# Altium PCB PCB1.PcbDoc (part 1 of 2)
Units mil, origin at the board's own origin, x right, y up, seen from the top; angles counter-clockwise.
Board outline 3149.61 x 1673.23 mil, 4 copper layers (TOP-SIG, GND1, GND2, BOT-SIG), stack 62.449 mil thick; 123 components, 58 nets, 291 pads, 564 vias.
Unrouted connection lines stored in the file: 2.
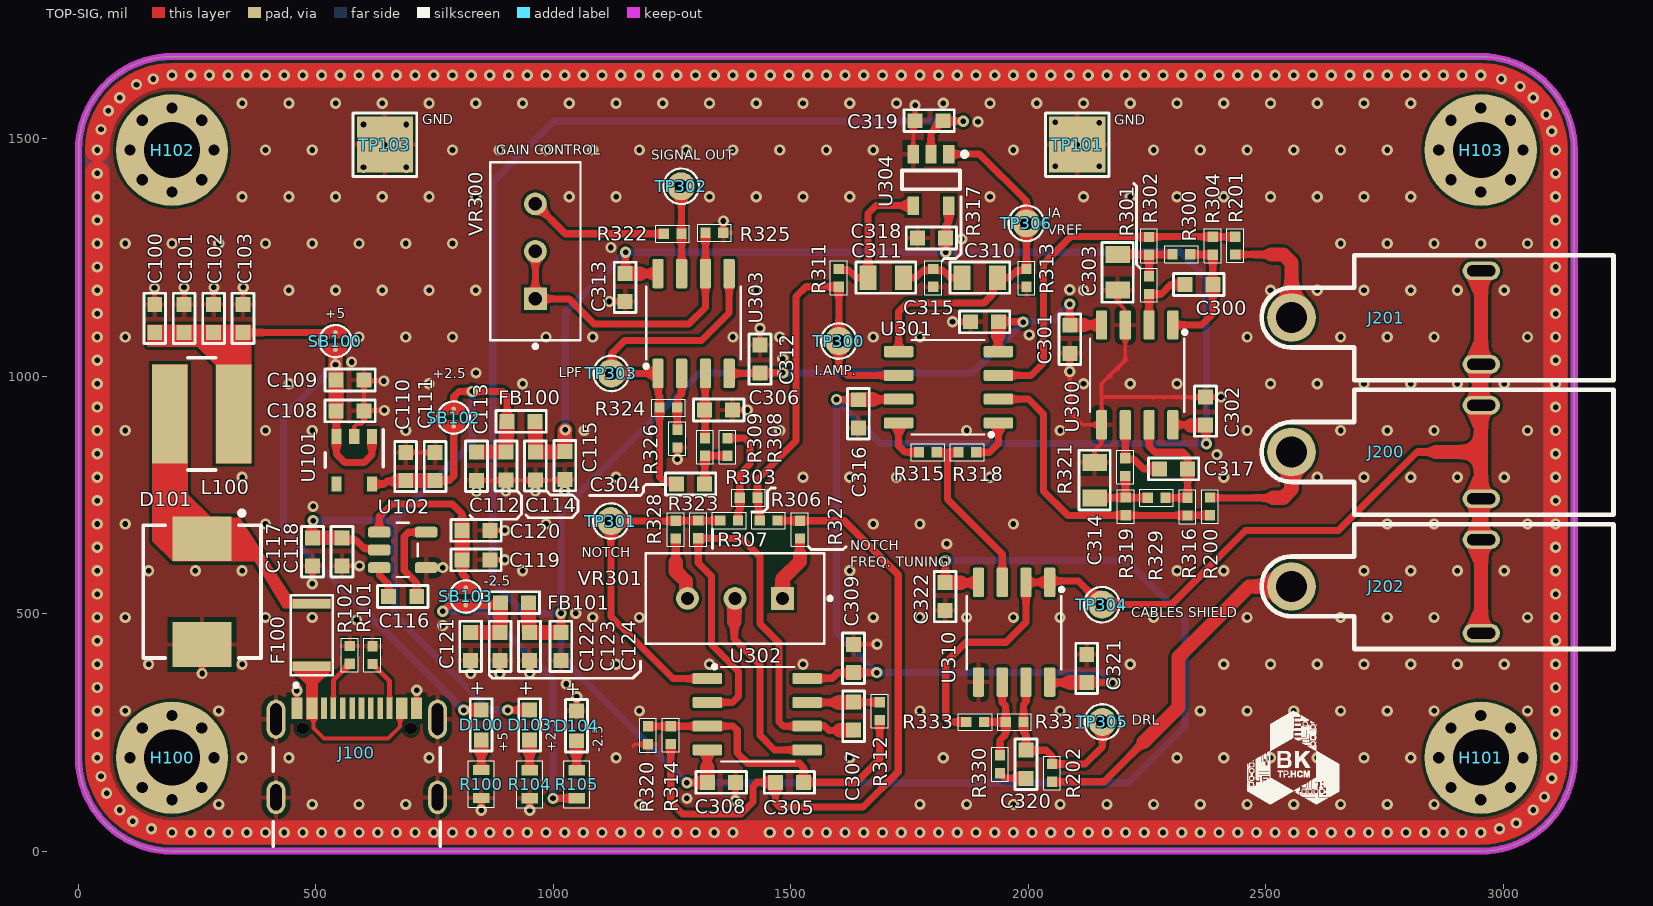
[diagram p0: TOP-SIG view]
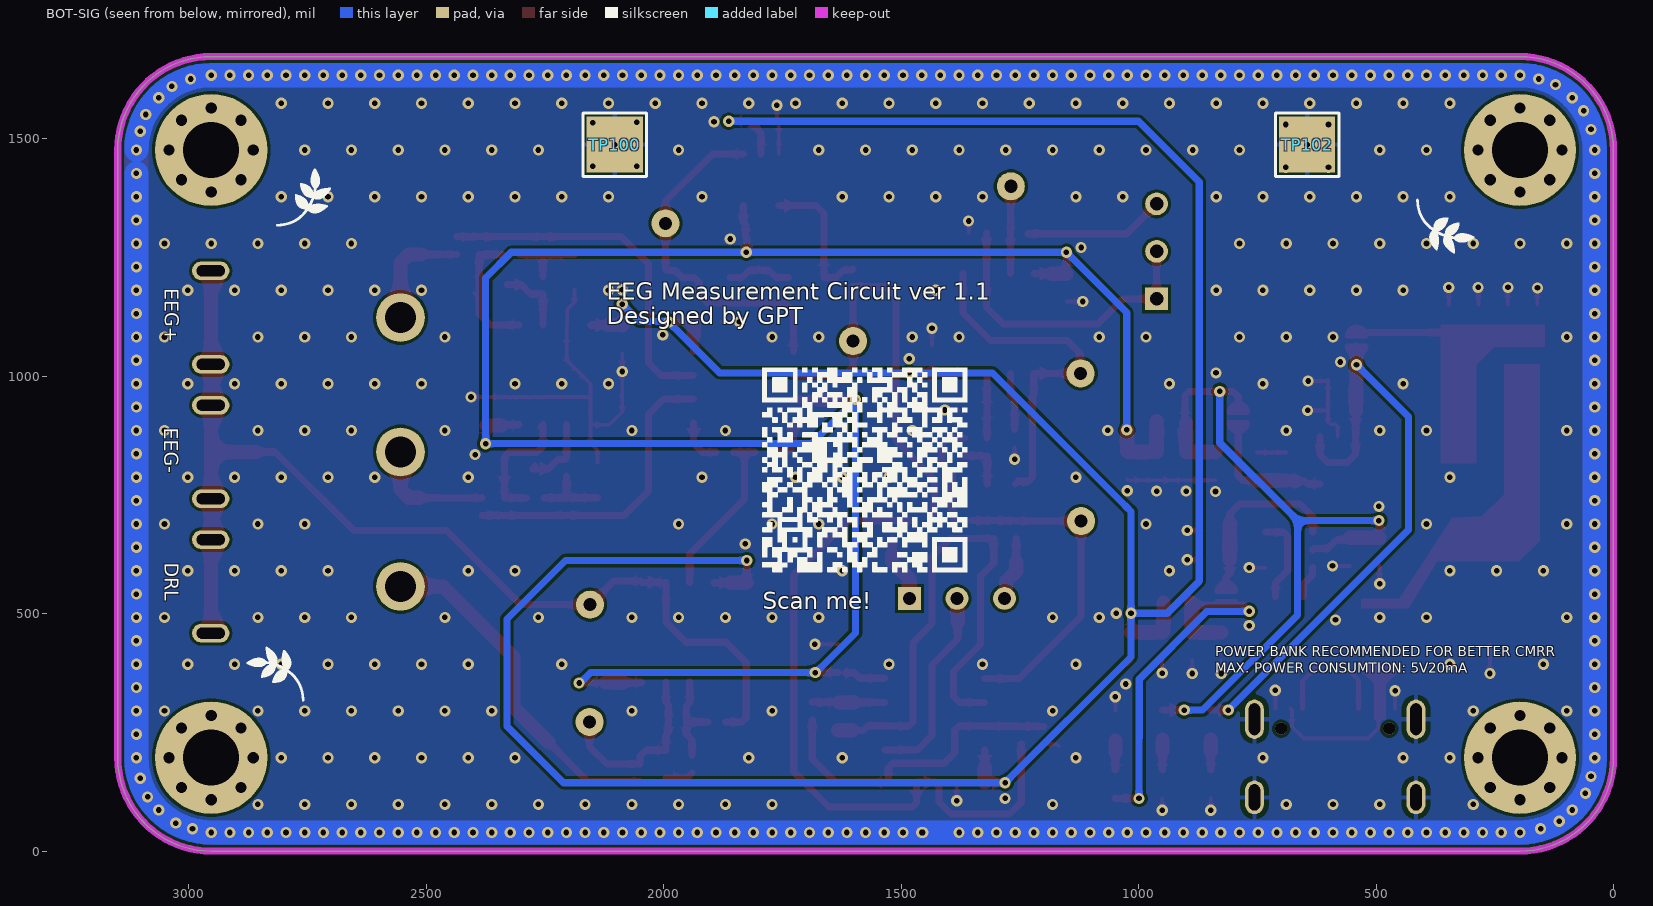
[diagram p1: BOT-SIG view, seen from below]
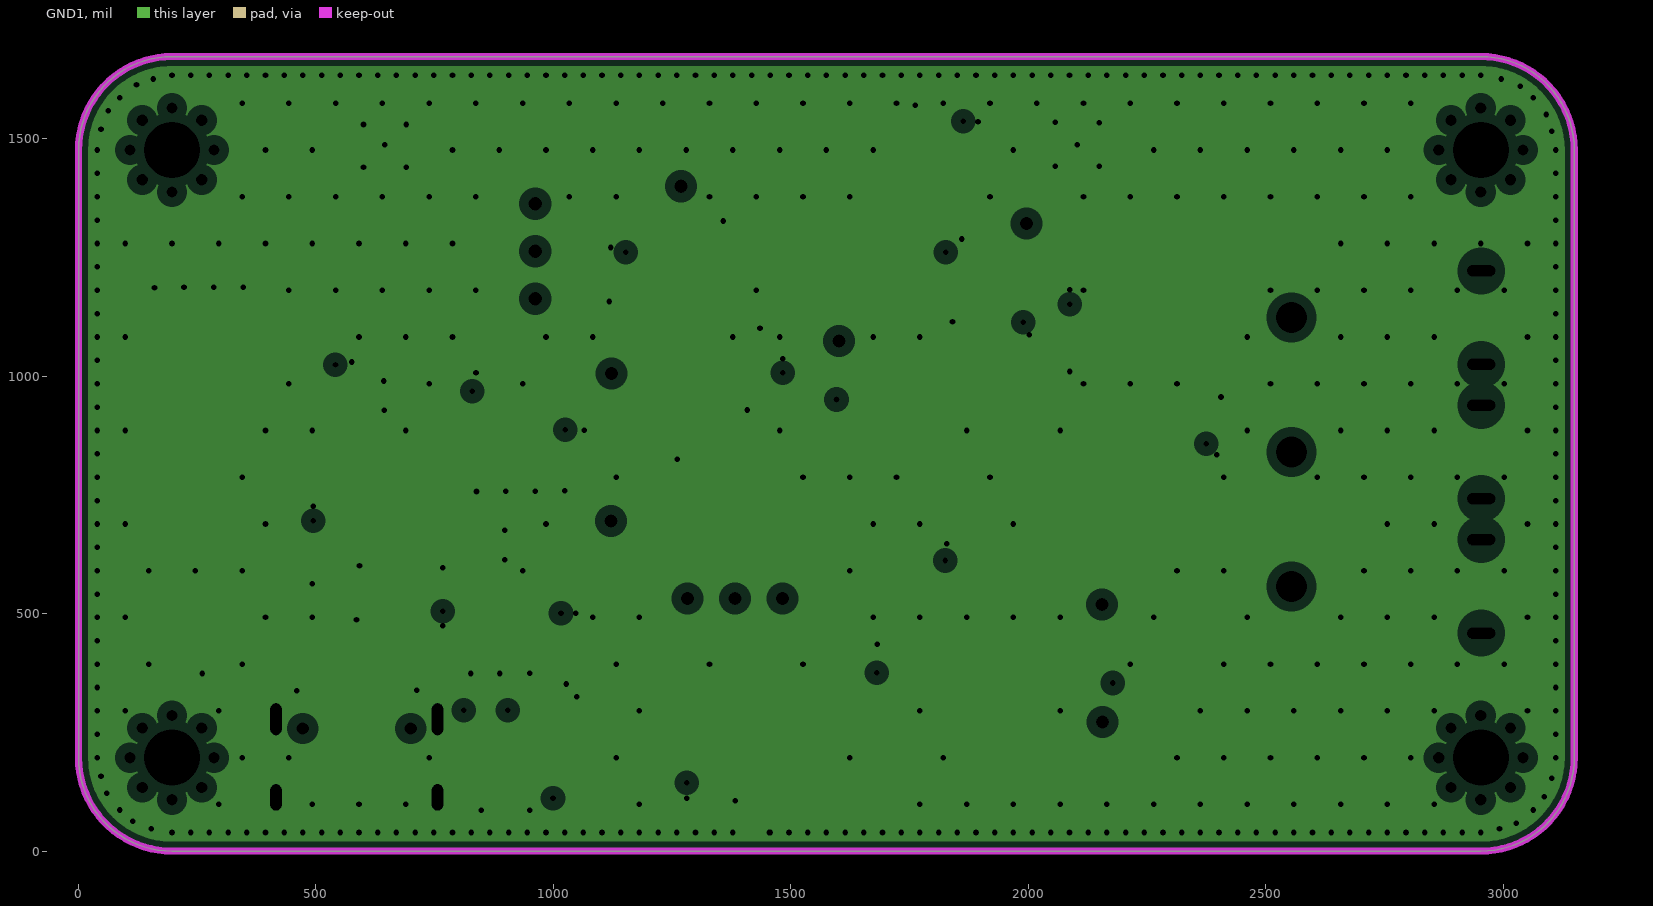
[diagram p2: GND1, clearances drawn from the general rule]
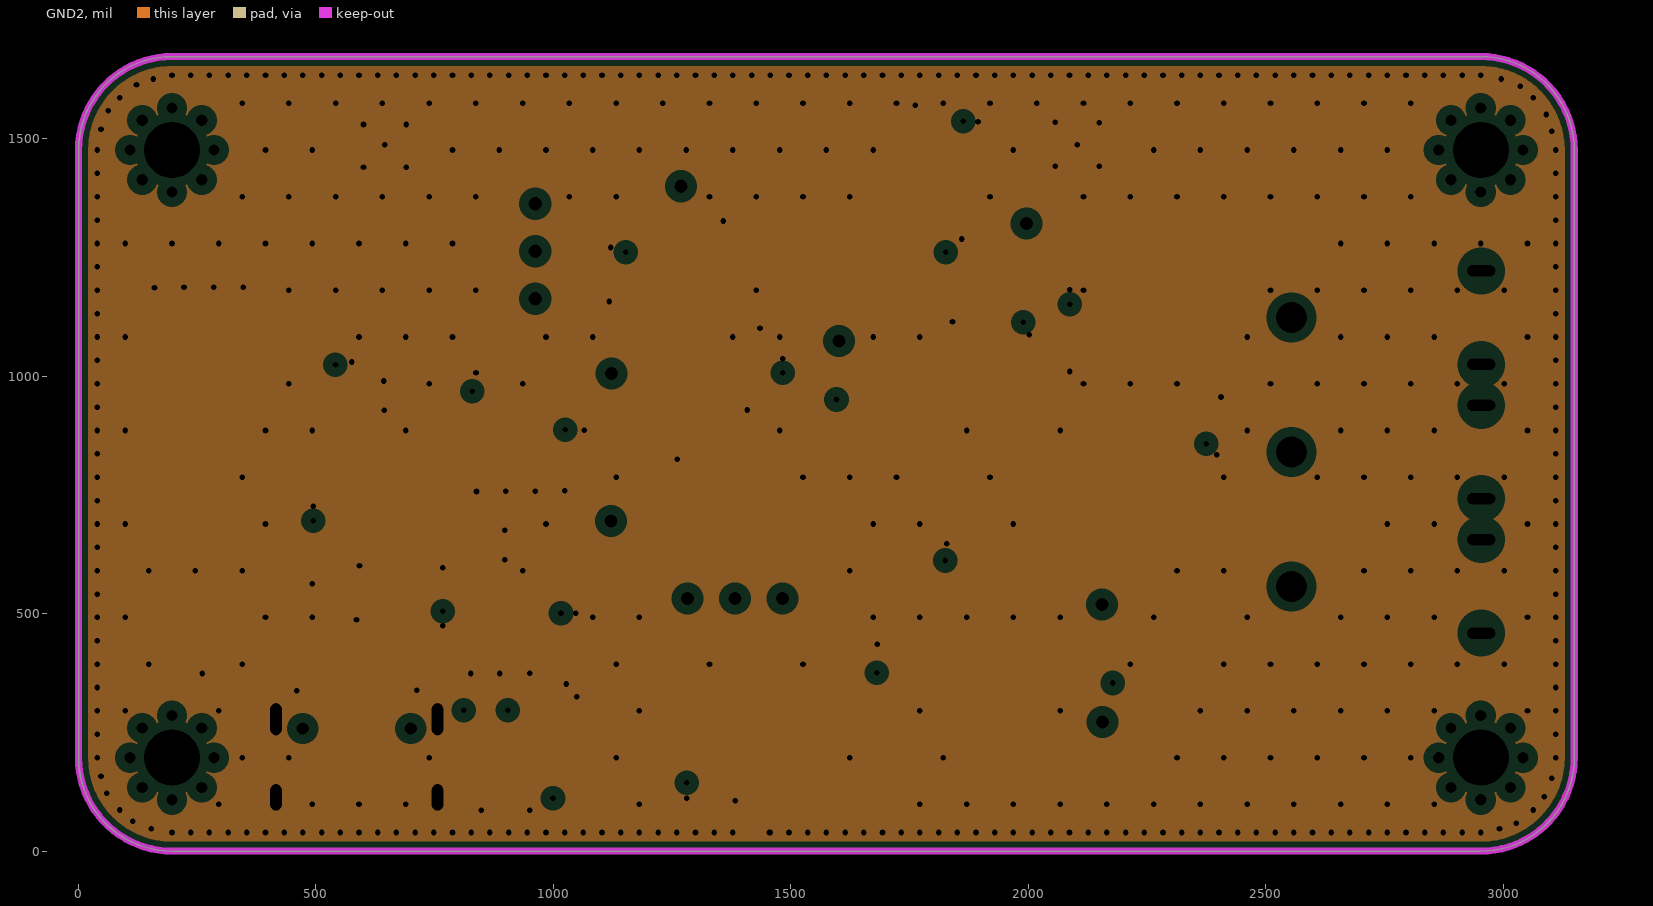
[diagram p3: GND2, clearances drawn from the general rule]
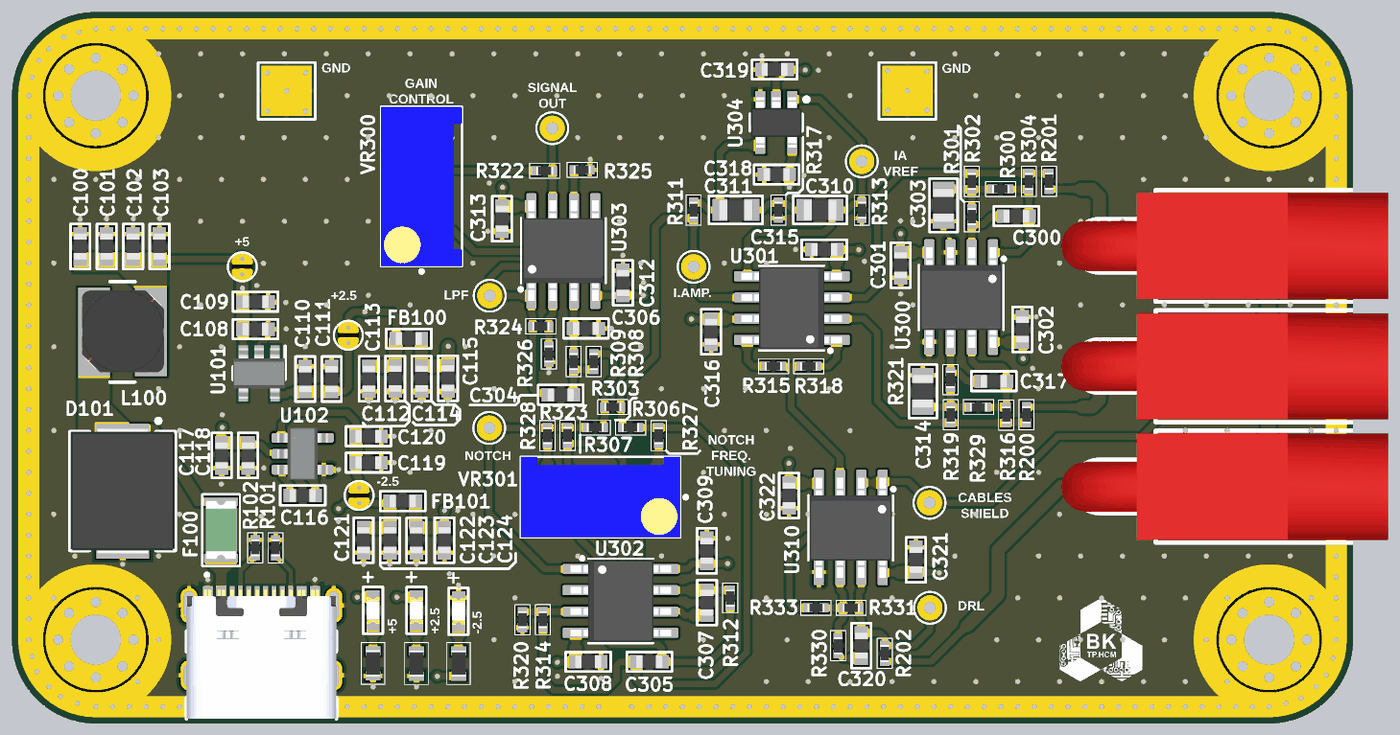
[diagram p5: 3D render of the assembled board from above, using the file's embedded part models]

## Layer stack, top to bottom
Top Solder: solder mask 0.272, Solder Resist, Dk 3.5
TOP-SIG: signal copper 1.378
Dielectric 2: prepreg 8.2839, PP-006, Dk 4.1
GND1: plane copper 0.598, net GND
Dielectric 1: dielectric 41.9291, FR-4, Dk 4.8
GND2: plane copper 0.598, net GND
Dielectric 3: prepreg 8.2839, PP-006, Dk 4.1
BOT-SIG: signal copper 1.378
Bottom Solder: solder mask 0.272, Solder Resist, Dk 3.5

## Board outline
196.85,0 cw(c196.85,196.85) 0,196.85 0,1476.38 cw(c196.85,1476.38) 196.85,1673.23 1476.38,1673.23 2952.76,1673.23 cw(c2952.76,1476.38) 3149.61,1476.38 3149.61,196.85 cw(c2952.76,196.85) 2952.76,0

## Design rules (kind name [scope] priority, off if disabled: settings)
Clearance [All] p1: gap=6 ignorepadtopadclearanceinfootprint=FALSE
DiffPairsRouting [All] p1: maxlimit=10 minlimit=10 mostfreqgap=10 toplayer_minwidth=8 toplayer_maxwidth=15 toplayer_prefwidth=15 bottomlayer_minwidth=8 bottomlayer_maxwidth=15 bottomlayer_prefwidth=15 maxuncoupledlength=500
PlaneClearance [All] p1: clearance=20
PlaneConnect [All] p1: planeconnectstyle=Relief reliefexpansion=20 reliefentries=4 reliefconductorwidth=10 reliefairgap=10
PolygonConnect PolygonConnect_2 [All vs IsNamedPolygon('GND_L04_P000')] p1: thpad.connectstyle=Relief thpad.reliefconductorwidth=10 thpad.reliefentries=4 thpad.polygonreliefangle="90 Angle" thpad.airgapwidth=10 smdpad.connectstyle=Relief smdpad.reliefconductorwidth=10 smdpad.reliefentries=4 smdpad.polygonreliefangle="90 Angle" smdpad.airgapwidth=10 via.connectstyle=Direct via.reliefconductorwidth=10 via.reliefentries=4 via.polygonreliefangle="90 Angle" via.airgapwidth=10
PolygonConnect PolygonConnect_1 [All vs IsNamedPolygon('GND_L01_P001')] p2: thpad.connectstyle=Relief thpad.reliefconductorwidth=10 thpad.reliefentries=4 thpad.polygonreliefangle="90 Angle" thpad.airgapwidth=10 smdpad.connectstyle=Relief smdpad.reliefconductorwidth=10 smdpad.reliefentries=4 smdpad.polygonreliefangle="90 Angle" smdpad.airgapwidth=10 via.connectstyle=Direct via.reliefconductorwidth=10 via.reliefentries=4 via.polygonreliefangle="90 Angle" via.airgapwidth=10
PolygonConnect [All] p3: connectstyle=Relief reliefconductorwidth=10 reliefentries=4 polygonreliefangle="90 Angle" airgapwidth=10
RoutingVias [All] p1: holewidth=11.81 width=23.62 viastyle="Through Hole" minholewidth=11.81 minwidth=23.62 maxholewidth=11.81 maxwidth=23.62
SolderMaskExpansion [All] p1: expansion=4 istentingtop=FALSE
SupplyNets "Schematic Supply Nets_5" [InNet('-2.5')] p1: voltage=0.000
SupplyNets "Schematic Supply Nets_4" [InNet('+2.5_A')] p2: voltage=0.000
SupplyNets "Schematic Supply Nets_3" [InNet('+5')] p3: voltage=0.000
SupplyNets "Schematic Supply Nets_2" [InNet('+2.5')] p4: voltage=0.000
SupplyNets "Schematic Supply Nets_1" [InNet('-2.5_A')] p5: voltage=0.000
SupplyNets "Schematic Supply Nets" [InNet('GND')] p6: voltage=0.000
Width [All] p1: maxlimit=59.06 minlimit=8 preferedwidth=15 minimp=50.000000 maximp=50.000000 favimp=50.000000
27 further rules are at their usual default settings.

## Classes and differential pairs
component class Designator: J200 J201 J202 R200 R201 R202
differential pair USB_D: +USB_D_P -USB_D_N

## Components (designator, comment, footprint, x,y, rotation, side; value= is the part's Value field where it differs from the comment)
C100 "10 uF, 10 VDC" CAP_0603 157.51,1119.75 r270 top
C101 "4.7 uF, 35 VDC" CAP_0603 219.51,1119.75 r270 top
C102 "100 nF, 50 VDC" CAP_0603 281.51,1119.75 r270 top
C103 "100 nF, 50 VDC" CAP_0603 343.51,1119.75 r270 top
C108 "2.2 uF, 10 VDC" CAP_0603 569.92,930.1 r180 top
C109 "100 nF, 50 VDC" CAP_0603 570,995 r180 top
C110 "100 nF, 50 VDC" CAP_0603 686,808 r270 top
C111 "2.2 uF, 10 VDC" CAP_0603 748,808 r270 top
C112 "10 uF, 10 VDC" CAP_0603 903,813 r90 top
C113 "100 nF, 50 VDC" CAP_0603 841,812.47 r90 top
C114 "10 uF, 10 VDC" CAP_0603 965,813 r90 top
C115 "100 nF, 50 VDC" CAP_0603 1027,813.93 r90 top
C116 "2.2 uF, 10 VDC" CAP_0603 684.7,533.25 r0 top
C117 "2.2 uF, 10 VDC" CAP_0603 495.7,632.25 r90 top
C118 "100 nF, 50 VDC" CAP_0603 557.7,632.25 r90 top
C119 "100 nF, 50 VDC" CAP_0603 835.35,616.42 r180 top
C120 "2.2 uF, 10 VDC" CAP_0603 835.35,678.42 r180 top
C121 "10 uF, 10 VDC" CAP_0603 828.71,433.06 r90 top
C122 "100 nF, 50 VDC" CAP_0603 890.71,433.06 r90 top
C123 "10 uF, 10 VDC" CAP_0603 952.71,433 r90 top
C124 "100 nF, 50 VDC" CAP_0603 1018.71,433.06 r90 top
C300 "10 nF, 50 VDC" CAP_0603 2357,1196 r180 top
C301 "100 nF, 50 VDC" CAP_0603 2084.26,1075.82 r270 top
C302 "100 nF, 50 VDC" CAP_0603 2370.13,924.75 r270 top
C303 "33 uF, 6.3 VDC" CAP_0805 2187.01,1219.72 r90 top
C304 "10 nF, 50 VDC" CAP_0603 1287,776 r180 top
C305 "220 nF, 50 VDC" CAP_0603 1499,142 r0 top
C306 "10 nF, 50 VDC" CAP_0603 1346,932 r180 top
C307 "220 nF, 50 VDC" CAP_0603 1629.29,282.15 r270 top
C308 "100 nF, 50 VDC" CAP_0603 1351.53,148 r180 top
C309 "100 nF, 50 VDC" CAP_0603 1635,408 r90 top
C310 "33 uF, 6.3 VDC" CAP_0805 1897,1206.68 r180 top
C311 "33 uF, 6.3 VDC" CAP_0805 1699,1206.68 r180 top
C312 "100 nF, 50 VDC" CAP_0603 1432,1034 r270 top
C313 "100 nF, 50 VDC" CAP_0603 1148,1185 r270 top
C314 "33 uF, 6.3 VDC" CAP_0805 2140.54,780.27 r270 top
C315 "100 nF, 50 VDC" CAP_0603 1905.96,1117.71 r180 top
C316 "100 nF, 50 VDC" CAP_0603 1645,923 r90 top
C317 "10 nF, 50 VDC" CAP_0603 2304,808 r180 top
C318 "100 nF, 50 VDC" CAP_0603 1794,1294 r180 top
C319 "100 nF, 50 VDC" CAP_0603 1793,1535 r0 top
C320 "47 nF, 50 VDC" CAP_0603 1992,180.98 r270 top
C321 "100 nF, 50 VDC" CAP_0603 2120,383 r270 top
C322 "100 nF, 50 VDC" CAP_0603 1822,534 r270 top
D100 "Blue, 3.2V" WL-SMCW_0603_H=0.7mm 848,266 r90 top
D101 "3 A , 500 mV" "SMC (DO-214AB)" 260.14,546.48 r270 top
D103 "Green, 3.2V" WL-SMCW_0603_H=0.7mm 949.85,266 r90 top
D104 "Pink" WL-SMCW_0603_H=0.7mm 1048.71,264 r90 top
F100 "6V, 0.35A" Fuse_SMD_1206 491,455 r90 top
FB100 "600 Ohm, 200 mA" FER_0603 934,902 r0 top
FB101 "600 Ohm, 200 mA" FER_0603 919.72,520.06 r0 top
H100 "Mounting Hole 3mm" "3mm with via" 196.85,196.85 r0 top
H101 "Mounting Hole 3mm" "3mm with via" 2952.76,196.85 r0 top
H102 "Mounting Hole 3mm" "3mm with via" 196.85,1476.38 r0 top
H103 "Mounting Hole 3mm" "3mm with via" 2952.76,1476.38 r0 top
J100 "USB4105-GF-A" GCT_USB4105-GF-A 585.91,113.19 r0 top value="USB-C 2.0 24-Pin (16+8 Dummy)"
J200 "DIN42802 1.5mm" "DIN42802-1.5MM SOCKET" 2554.13,840.52 r0 top value="DIN42802 3-Pin Female Socket"
J201 "DIN42802 1.5mm" "DIN42802-1.5MM SOCKET" 2554.13,1123.52 r0 top value="DIN42802 3-Pin Female Socket"
J202 "DIN42802 1.5mm" "DIN42802-1.5MM SOCKET" 2554.13,557.52 r0 top value="DIN42802 3-Pin Female Socket"
L100 "22uH, 1A" Inductor_CDRH4D28 259.46,920.89 r0 top
R100 "Resistor 1 KOhm 0603 1%" R0603 848,141.29 r270 top value="1 KOhm/0603/1%"
R101 "Resistor 5.1 KOhm 0402" R0402 618.82,412.98 r270 top value="5.1 KOhm/0402/1%"
R102 "Resistor 5.1 KOhm 0402" R0402 571.39,413.28 r270 top value="5.1 KOhm/0402/1%"
R104 "Resistor 1 KOhm 0603 1%" R0603 950,141 r270 top value="1 KOhm/0603/1%"
R105 "Resistor 1 KOhm 0603 1%" R0603 1049,141 r270 top value="1 KOhm/0603/1%"
R200 "Resistor 100 KOhm 0402 1%" R0402 2382.62,726.01 r270 top value="100 KOhm/0402/1%"
R201 "Resistor 100 KOhm 0402 1%" R0402 2435.69,1275.18 r90 top value="100 KOhm/0402/1%"
R202 "Resistor 100 KOhm 0402 1%" R0402 2049.72,164.84 r90 top value="100 KOhm/0402/1%"
R300 "Resistor 4.87 MOhm 0402 1%" R0402 2322.26,1256.82 r180 top value="4.87 MOhm/0402/1%"
R301 "Resistor 3.16 MOhm 0402 1%" R0402 2254.26,1191.82 r90 top value="3.16 MOhm/0402/1%"
R302 "Resistor 48.7 KOhm 0402 1%" R0402 2254.26,1274.69 r270 top value="48.7 KOhm/0402/1%"
R303 "Resistor 0 Ohm 0402" R0402 1411,744.1 r180 top value="0 Ohm/0402/Jumper"
R304 "Resistor 4.87 MOhm 0402 1%" R0402 2388.26,1274.82 r90 top value="4.87 MOhm/0402/1%"
R306 "Resistor 0 Ohm 0402" R0402 1453,696.1 r0 top value="0 Ohm/0402/Jumper"
R307 "Resistor 0 Ohm 0402" R0402 1370.13,696.1 r0 top value="0 Ohm/0402/Jumper"
R308 "Resistor 4.22 KOhm 0402 1%" R0402 1366.43,851 r270 top value="4.22 KOhm/0402/1%"
R309 "Resistor 60.4 KOhm 0402 1%" R0402 1319,851 r90 top value="60.4 KOhm/0402/1%"
R311 "Resistor 138 KOhm 0402 1%" R0402 1601,1207.25 r270 top value="138 KOhm/0402/1%"
R312 "Resistor 14.5 KOhm 0402 0.5%" R0402 1687,295.05 r270 top value="14.5 KOhm/0402/0.5%"
R313 "Resistor 0 Ohm 0402" R0402 1996,1206.95 r90 top value="0 Ohm/0402/Jumper"
R314 "Resistor 2.87 MOhm 0402 1%" R0402 1247,244.3 r90 top value="2.87 MOhm/0402/1%"
R315 "Resistor 255 Ohm 0402 1%" R0402 1788.65,840.21 r0 top value="255 Ohm/0402/1%"
R316 "Resistor 4.87 MOhm 0402 1%" R0402 2335.19,725.32 r270 top value="4.87 MOhm/0402/1%"
R317 "Resistor 54.9 KOhm 0402 1%" R0402 1800,1207.25 r90 top value="54.9 KOhm/0402/1%"
R318 "Resistor 255 Ohm 0402 1%" R0402 1871.52,839.99 r180 top value="255 Ohm/0402/1%"
R319 "Resistor 48.7 KOhm 0402 1%" R0402 2204.89,725.95 r270 top value="48.7 KOhm/0402/1%"
R320 "Resistor 2.87 MOhm 0402 1%" R0402 1199,244 r90 top value="2.87 MOhm/0402/1%"
R321 "Resistor 3.16 MOhm 0402 1%" R0402 2204.26,808.82 r270 top value="3.16 MOhm/0402/1%"
R322 "Resistor 10 KOhm 0402 1%" R0402 1251,1300 r180 top value="10 KOhm/0402/1%"
R323 "Resistor 14.5 KOhm 0402 0.5%" R0402 1304.98,677.39 r270 top value="14.5 KOhm/0402/0.5%"
R324 "Resistor 100 KOhm 0402 1%" R0402 1242,934 r180 top value="100 KOhm/0402/1%"
R325 "Resistor 10 KOhm 0402 1%" R0402 1339,1302 r180 top value="10 KOhm/0402/1%"
R326 "Resistor 10 KOhm 0402 1%" R0402 1261.05,868.85 r90 top value="10 KOhm/0402/1%"
R327 "Resistor 14.5 KOhm 0402 0.5%" R0402 1519,677 r90 top value="14.5 KOhm/0402/0.5%"
R328 "Resistor 14.5 KOhm 0402 0.5%" R0402 1257.55,676.96 r270 top value="14.5 KOhm/0402/0.5%"
R329 "Resistor 4.87 MOhm 0402 1%" R0402 2270.04,743.89 r180 top value="4.87 MOhm/0402/1%"
R330 "Resistor 10 KOhm 0402 1%" R0402 1940.28,182.98 r90 top value="10 KOhm/0402/1%"
R331 "Resistor 1 MOhm 0402 1%_1" R0402 1971,271.98 r180 top value="1 MOhm/0402/1%"
R333 "Resistor 10 KOhm 0402 1%" R0402 1888.13,271.98 r180 top value="10 KOhm/0402/1%"
SB100 "Open-circuit Solder Bridge" SolderBridgeOpen 541,1074 r270 top
SB102 "Open-circuit Solder Bridge" SolderBridgeOpen 790,913 r90 top
SB103 "Open-circuit Solder Bridge" SolderBridgeOpen 815.28,536.22 r270 top
TP100 "Testpoint_SMD" TestPoint_Pad_3.0x3.0mm 2103,1487.72 r90 bottom
TP101 "Testpoint_SMD" TestPoint_Pad_3.0x3.0mm 2103,1487.72 r90 top
TP102 "Testpoint_SMD" TestPoint_Pad_3.0x3.0mm 645,1487.72 r90 bottom
TP103 "Testpoint_SMD" TestPoint_Pad_3.0x3.0mm 645,1487.72 r90 top
TP300 "Testpoint_TH" TestPoint_THTPad_D1.5mm_Drill0.7mm 1601,1074 r90 top
TP301 "Testpoint_TH" TestPoint_THTPad_D1.5mm_Drill0.7mm 1121,695 r90 top
TP302 "Testpoint_TH" TestPoint_THTPad_D1.5mm_Drill0.7mm 1269,1400 r90 top
TP303 "Testpoint_TH" TestPoint_THTPad_D1.5mm_Drill0.7mm 1122,1006 r90 top
TP304 "Testpoint_TH" TestPoint_THTPad_D1.5mm_Drill0.7mm 2155,519 r90 top
TP305 "Testpoint_TH" TestPoint_THTPad_D1.5mm_Drill0.7mm 2156,272 r90 top
TP306 "Testpoint_TH" TestPoint_THTPad_D1.5mm_Drill0.7mm 1996,1322 r90 top
U101 "TPS7A0525PDBVR" DBV0005A_L 580.47,823.19 r270 top
U102 "TPS60403DBVR" SOT95P280X145-5N 682.7,634.25 r0 top
U300 "OPA2735AIDR" SOIC-8 2229.26,1002.82 r270 top
U301 "INA128UA/2K5" SOIC-8 1832,976.8 r180 top
U302 "OPA2735AIDR" SOIC-8 1429.15,288.25 r0 top
U303 "OPA2735AIDR" SOIC-8 1295,1111 r90 top
U304 "OPA735AIDBVR" SOT-23 1795,1413.45 r270 top
U310 "OPA2735AIDR" SOIC-8 1970,460.98 r270 top
VR300 "3296W-104" TRIM_3296W 962,1263 r90 top value="100 KOhm/0.5W"
VR301 "3296W-102" TRIM_3296W 1382.37,532.18 r180 top value="1 KOhm/0.5W"
